# Altium PCB roach2.PcbDoc (part 8 of 39) (continued)
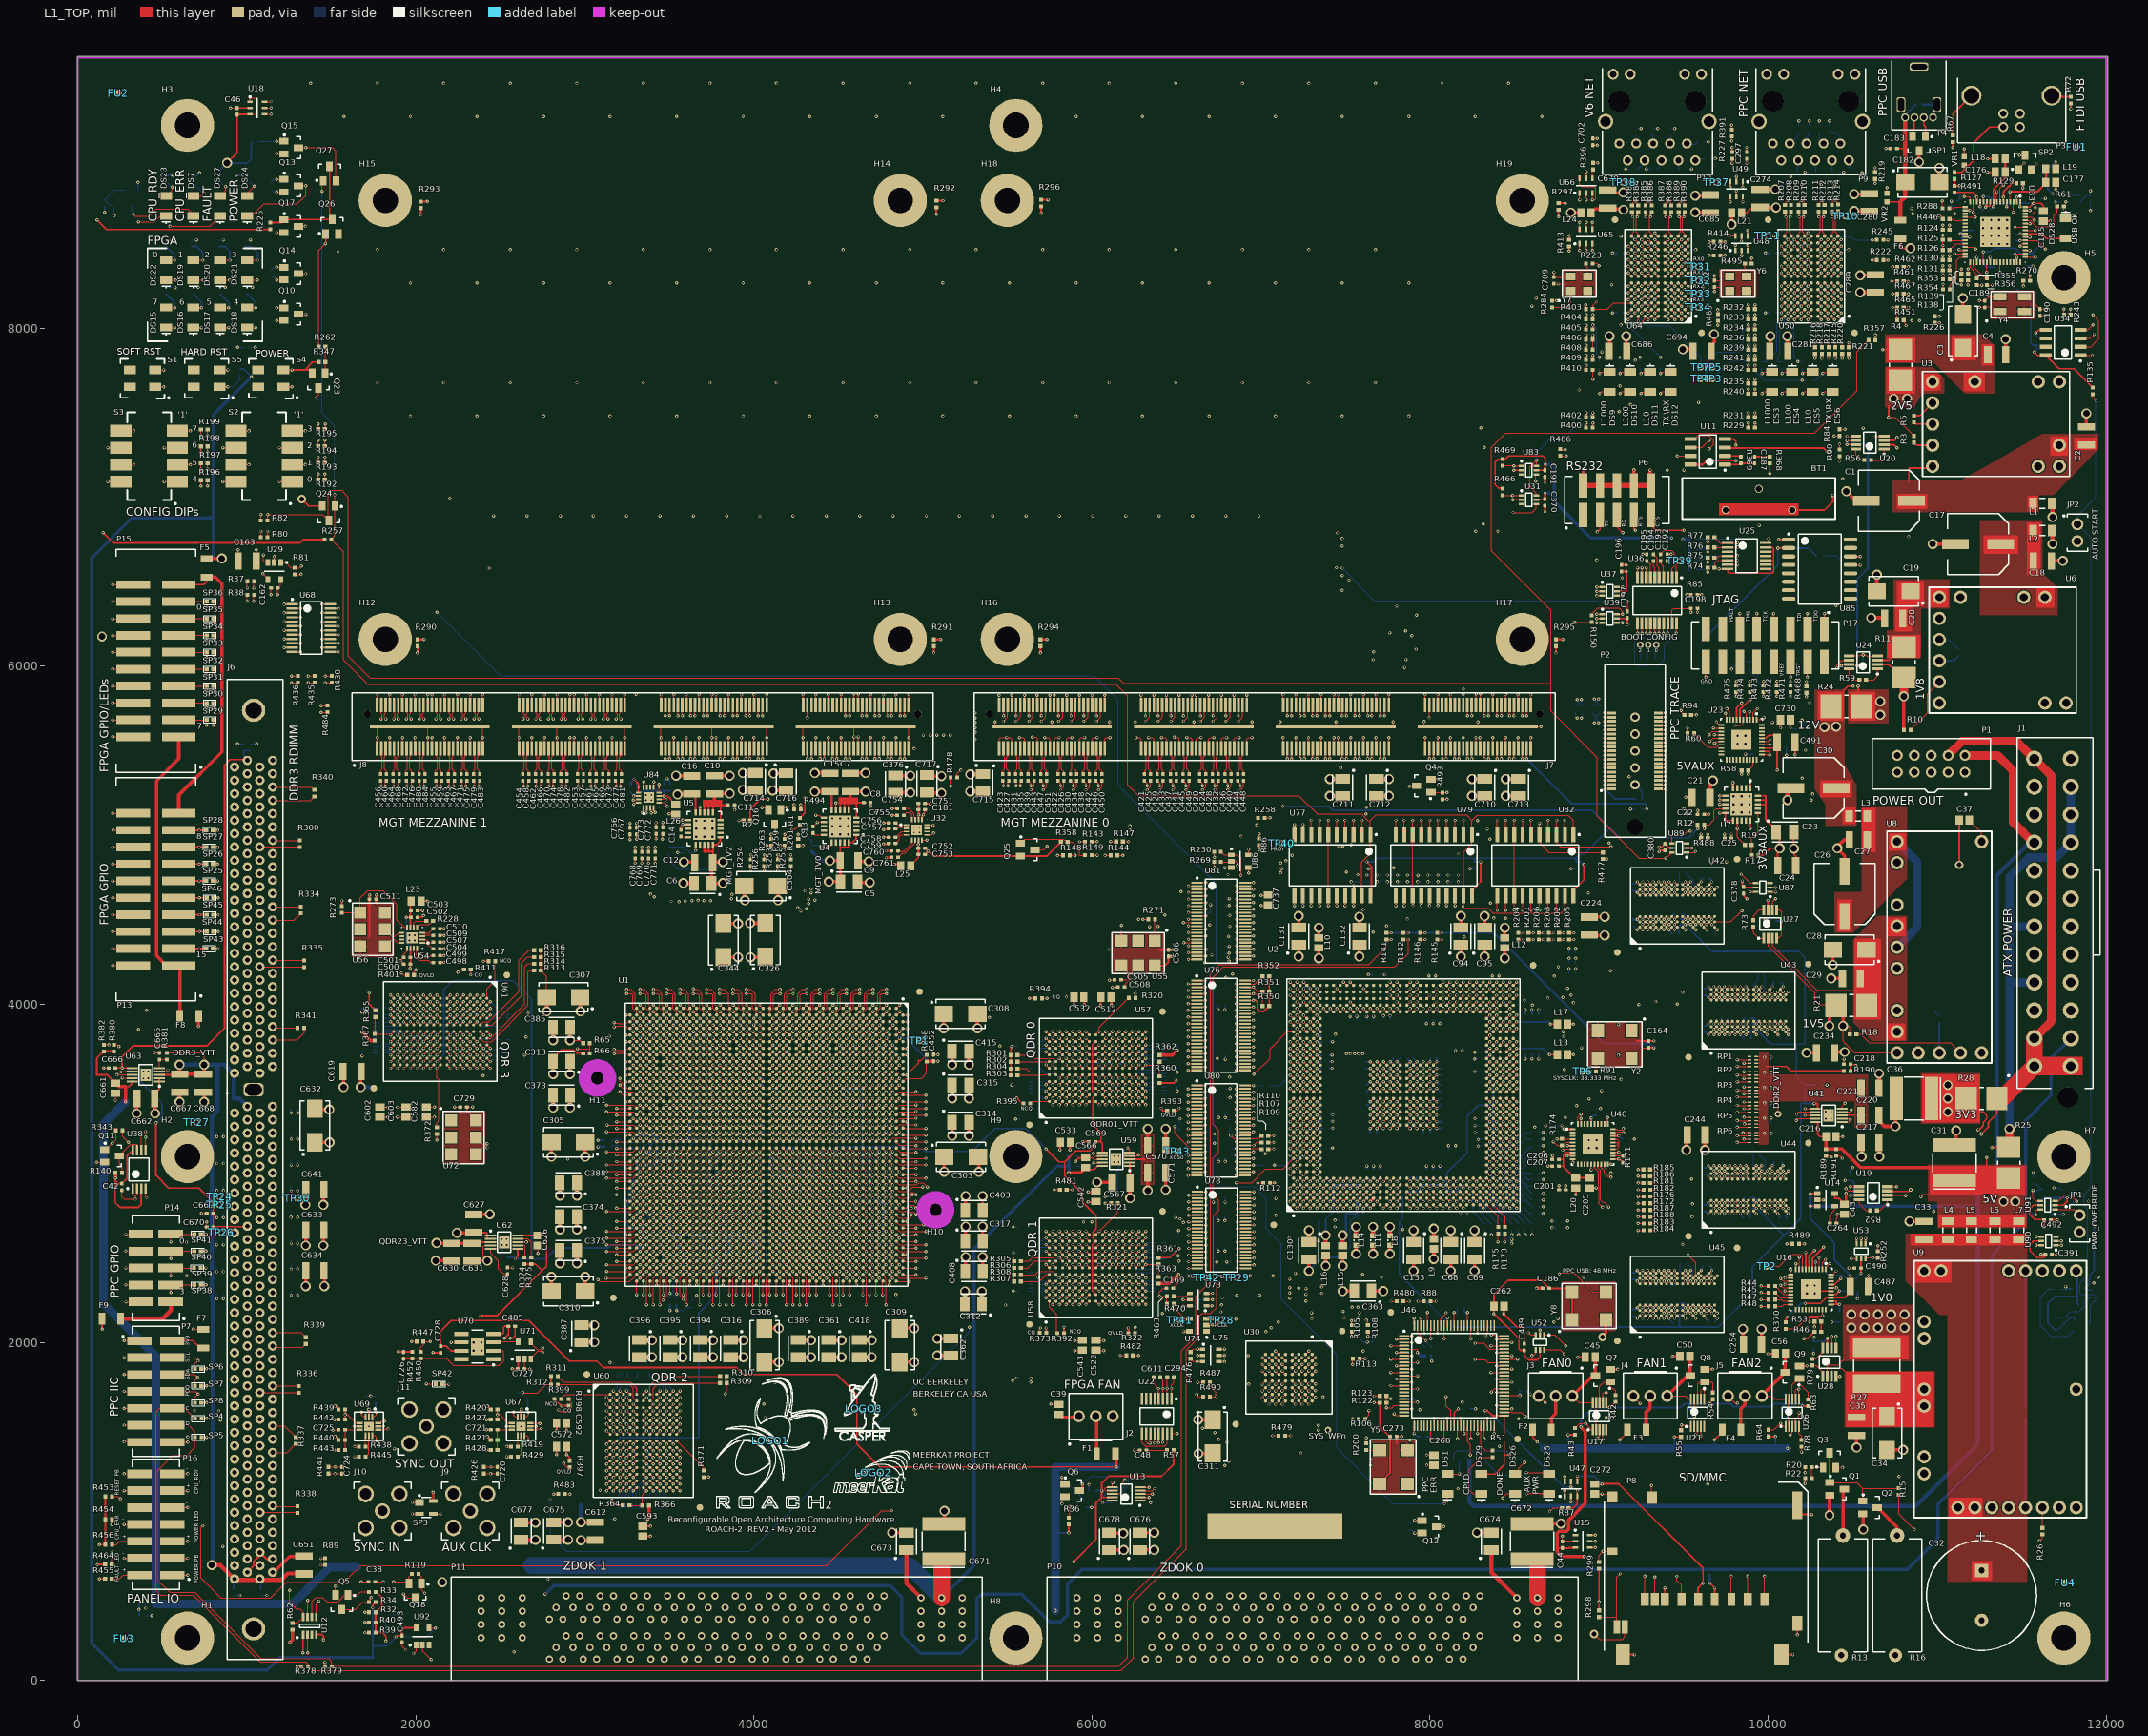
[diagram p0: L1_TOP view]
## Nets (pads, with @x,y where several pads share a name; then routed paths per layer and width w, separated by ;. In a path a pad name is that pad's centre, name@x,y a point inside that pad or via, vN(x,y) a via of type N, cw(c..) or ccw(c..) an arc to the next point about the centre after c; other vN are vias at no path point) (continued)
  L16_BOT w50: v10(5782.99,412.99) 5782.99,1262.99 v10(6142.99,1262.99) ; 8672.99,1372.99 9122.99,1372.99 9682.99,1372.99 v10(10112.99,1372.99)
  other v5: 10332.99,5640.99 10402.99,5642.99
12VMON: J1.10 J1.11 P1.8 R24.1 U16.6 | length 3980.2
  L1_TOP w10: U16.6@10243.15,2432.09 10243.15,2513.15 v6(10274,2544) ; 10532.99,5852.99 v10(10532.99,5882.99)
  L14_S w10: v6(10274,2544) 10308.49,2578.49 10308.49,5468.49 10357.99,5517.99 10442.99,5517.99 10532.99,5607.99 v10(10532.99,5882.99)
  L14_S w20: v5(10662.99,5712.99) 10662.99,5665.01 10855.01,5472.99 P1.8@10864.88,5472.99
  other v5: 10662.99,5792.99
ATX_PG: C163.2 Q24.3 R80.1 R82.1 R357.2 U29.3 U87.6 U89.6 | length 29818
  L1_TOP w5: C163.2@1056.14,6622.99 v2(1056.14,6688.87) ; v2(1098.99,6658.99) 1098.99,6622.99 1107.81,6614.17 U29.3@1125.59,6614.17 ; R80.1@1122.68,6762.99 v2(1122.68,6797.38) ; R82.1@1122.68,6862.99 v2(1122.68,6897.38) 1449.31,6897.38 1481.69,6865 1481.69,7026.69 1495,7040 1560,7040 1600,7000 1600,6060 1730,5930 6155,5930 6185,5900 8715,5900 ; U89.6@9431.69,4899.41 9397.28,4865 v3(9395,4865) 9237.16,4865 8990,5112.16 8990,5460 8715,5735 8715,5900 ; v3(9894,4665.41) U87.6@9925.69,4665.41 ; R357.2@10593.35,7930 10525,7861.65 10525,7630 10275,7380 8447,7380 8362,7295 8362,6683 8715,6330 8715,5900
  L8_R w5: v2(1098.99,6658.99) 1086.02,6658.99 v2(1056.14,6688.87) 1122.68,6755.41 v2(1122.68,6797.38) ; v2(1122.68,6897.38) 1138.99,6881.06 1138.99,6813.69 v2(1122.68,6797.38) ; 8010.99,1376.99 8028.99,1376.99 ; v2(8046.99,1430.68) 8046.99,1394.99 8028.99,1376.99 ; v2(1122.68,6797.38) 1082.68,6837.38 1006.3,6837.38 975.91,6806.99 662.99,6806.99 580.99,6724.99 580.99,6270.69 318.99,6008.69 318.99,3387.47 304.32,3372.79 304.32,3335.49 318.99,3320.82 318.99,2906.04 340.66,2884.38 373.9,2884.38 391.96,2866.33 391.96,2849.12 425.99,2815.08 425.99,2215.69 448.99,2192.69 448.99,1466.99 530.98,1385 700.98,1385 898.65,1187.33 958.51,1187.33 988.88,1156.96 1024.32,1156.96 1063.69,1117.59 1091.9,1117.59 1120.65,1146.34 1438.22,1146.34 1460.88,1169 2479,1169 2623,1025 2988.99,1025 3008.48,1005.51 3783.18,1005.51 4196.47,1418.8 5427.14,1418.8 5480.95,1364.99 6228.4,1364.99 6242.6,1379.19 6256.02,1379.19 6270.22,1364.99 6410.95,1364.99 6545.95,1229.99 7770.03,1229.99 7917.03,1376.99 8028.99,1376.99
  L9_R w5: v3(9395,4865) 9460,4865 9555,4770 9725,4770 9829.59,4665.41 v3(9894,4665.41)
ATX_PGN: Q23.3 Q24.1 Q27.1 R257.2 U77.1 U77.19 U79.1 U79.19 U82.1 U82.19 | length 12829
  L1_TOP w5: v6(1410,7590) 1425,7605 Q23.3@1425,7646.69 ; v6(1445,8810) 1445,8864.09 Q27.1@1452.6,8871.69 ; v6(1520,7015) 1522.4,7012.6 Q24.1@1522.4,6948.31 1522.4,6772.72 R257.2@1499.69,6750 1572.99,6676.69 1572.99,6037.01 1715,5895 6140,5895 6210,5825 6210,5300 6275,5235 7225,5235 7334,5126 7595,5126 7632.58,5088.42 7647.99,5088.42 ; U77.19@7597.99,4641.89 7596.79,4643.09 7596.79,4841.4 7647.99,4892.6 U77.1@7647.99,5004.09 7647.99,5088.42 ; v6(8195,4580) 8207,4568 8346,4568 8372.64,4541.36 8778,4541.36 8794.2,4557.56 v2(8797.99,4557.56) U82.19@8797.99,4641.89 ; v6@8197.99,4582.99 U79.19@8197.99,4641.89 8197.99,4899.99 8247.99,4949.99 U79.1@8247.99,5004.09 8247.99,5088.42 ; U82.1@8847.99,5004.09 8847.99,5088.42 8818.05,5118.37 8277.94,5118.37 8247.99,5088.42 ; 7647.99,5088.42 7679.57,5120 8215,5120 8246.58,5088.42 8247.99,5088.42
  L16_BOT w5: v6(1410,7590) 1425,7575 1445,7575 ; v6(1445,8810) 1445,7575 ; v6(1520,7015) 1520,7425 1445,7500 1445,7575
ATX_PWR_OK: J1.8 Q13.1 Q26.1 R48.2 R262.1 R458.2 | length 18914
  L1_TOP w5: v2(1177.42,8880.39) Q13.1@1219.68,8880.39 ; R262.1@1425.32,7890 1425.32,8460.32 v6(1465,8500) ; v2(9958.4,2214.09) 9959.5,2212.99 R48.2@10003.31,2212.99
  L1_TOP w10: v6(1465,8500) 1467.6,8502.6 Q26.1@1467.6,8556.69
  L5_S w3.8: v2(10400.99,6358.99) 10414.99,6344.99 10414.99,6286.99 ; 10413.99,6285.99 10228.99,6100.99 10228.99,5985.01 10259,5955 10259,5829.25 10228.99,5799.24 10228.99,5630.99 11068.96,4791.02 J1.8@11574.72,4791.02
  L8_R w3.8: v2(1177.42,8880.39) 1332.02,9034.99 1530.99,9034.99 1629.19,8936.79 1629.19,8480 ; v6(1465,8500) 1485,8480 1629.19,8480 ; v2(10400.99,6358.99) 9624.99,6358.99 9294.99,6688.99 7176.99,6688.99 6988.99,6500.99 2441.33,6500.99 1629.19,7313.13 1629.19,8480
  L9_R w3.8: v2(9958.4,2214.09) 9970.49,2202 11040,2202 11503,2665 11503,4719.3 J1.8@11574.72,4791.02
  L16_BOT w5: R458.2@1142.99,8862.68 1160.71,8880.39 v2(1177.42,8880.39)
AUX3V3_PG: R12.1 U7.9 | length 217.9
  L1_TOP w5: v3(9622.68,5039.46) R12.1@9622.68,5062.99 9650.99,5062.99 9680.99,5092.99 9680.99,5144.99 9693.4,5157.4 U7.9@9747.52,5157.4
AUX_CLK_N: U1.AW16 U67.10 | length 2622.4
  L1_TOP w5: U67.10@2674.17,1483.31 2717.31,1483.31 2724,1490 v2(2742,1490) ; v1(3365.24,3403.98) 3384.61,3384.61 U1.AW16@3384.93,3384.29
  L8_R w3.8: v2(2742,1490) 2756,1504 2756,1666.97 2798.79,1709.76 2798.79,2097.19 2732.99,2162.99 2732.99,2503.37 2746.39,2516.77 2746.39,2536.16 2732.99,2549.56 2732.99,3210.99 2785.19,3263.19 3037.19,3263.19 3095.19,3321.19 3202.42,3321.19 3234.99,3353.76 3234.99,3380.99 3273.58,3419.58 3349.64,3419.58 v1(3365.24,3403.98)
AUX_CLK_P: U1.AV16 U67.12 | length 2635.5
  L1_TOP w5: U67.12@2674.17,1522.68 2731.32,1522.68 v2(2734,1520) ; v1(3404.61,3403.98) 3423.98,3384.61 U1.AV16@3424.3,3384.29
  L8_R w3.8: v2@2736,1522 2746,1532 2746,1668 2790.99,1712.99 2790.99,2093.96 2725.19,2159.76 2725.19,2506.6 2738.59,2520 2738.59,2532.93 2725.19,2546.33 2725.19,3214.22 2781.96,3270.99 3033.96,3270.99 3091.96,3328.99 3199.19,3328.99 3227.19,3356.99 3227.19,3384.22 3270.35,3427.38 3363.9,3427.38 3387.3,3403.98 v1(3404.61,3403.98)
AUX_SCL: R40.1 R124.2 U11.6 U13.4 U15.4 U16.15 U17.4 U18.4 U21.4 U22.14 U23.15 U26.4 U38.6 U87.4 | length 31878.6
  L1_TOP w5: U38.6@375.79,3136.18 375.79,3221.79 v2(400.99,3246.99) ; U18.4@1106.3,9265.59 v2@1144.39,9265.59 ; v3(1698.65,343.2) 1698.85,342.99 R40.1@1723.31,342.99 ; U13.4@6283.7,1122.68 6358.68,1122.68 v2(6370.99,1134.99) ; v2@6420.49,1411.4 U22.14@6420.49,1460.63 ; U15.4@8946.3,785.59 v2(8977.73,785.59) ; v2(9022.39,1426.53) 9022.68,1426.83 U17.4@9022.68,1482.28 ; U11.6@9540.64,7294 9608,7294 v2(9650.99,7336.99) ; v2(9602.39,1446.53) 9602.68,1446.83 U21.4@9602.68,1502.28 ; v6(9654,5556) 9672.83,5574.83 U23.15@9723.9,5574.83 ; v3(9840.59,4770) 9894,4716.59 U87.4@9925.69,4716.59 ; v2(10074,2338) 10089.17,2322.83 U16.15@10133.9,2322.83 ; U26.4@10162.68,1502.28 10162.68,1542.68 10182.99,1562.99 10182.99,1582.28 v2(10183.69,1582.98) ; R124.2@11033.31,8582.99 v2(11033.31,8609.57)
  L3_S w3.8: v2(643.59,2592.8) v2@645.59,2592.8 ; v3(9524.99,5126.99) 9600.99,5202.99 9600.99,5502.99 v6(9654,5556) ; v2(9602.39,1446.53) 9924.53,1446.53 9956.99,1478.99 10128.99,1478.99 10183.69,1533.69 v2(10183.69,1582.98) 10183.69,1681.98 10033.39,1832.28 10033.39,2297.39 v2(10074,2338)
  L5_S w3.8: v2(8410,1385) 8415,1390 8595.99,1390 8625,1360.99 8956.84,1360.99 v2(9022.39,1426.53)
  L8_R w3.8: v3(1698.65,343.2) 1877.13,343.2 1887.13,333.19 2050.85,333.19 2366.66,649 2988.66,649 3153.72,814.06 3875.72,814.06 4286.45,1224.79 5326.85,1224.79 5416.45,1135.19 5906.45,1135.19 5962.45,1079.19 6138.85,1079.19 6206.85,1147.19 6313.19,1147.19 6324.99,1158.99 6346.99,1158.99 v2(6370.99,1134.99) ; v2(6652.99,1490.99) 7224.99,1490.99 7267.99,1447.99 7559.99,1447.99 7604.99,1402.99 7862.99,1402.99 v2(7880.99,1420.99)
  L9_R w3.8: v2(400.99,3246.99) 136.99,3246.99 76.99,3306.99 76.99,8800.99 237.19,8961.19 774.85,8961.19 892.85,9079.19 1035.19,9079.19 1144.99,9188.99 v2(1144.99,9266.19) ; v2(6370.99,1134.99) 6370.99,1338.99 6316.99,1392.99 6316.99,1424.99 6324.99,1432.99 6400.99,1432.99 6418.54,1415.45 v2(6418.54,1409.45) 6571.45,1409.45 6641.99,1479.99 ; 6642.99,1480.99 6641.99,1479.99 ; v2(6652.99,1490.99) 6641.99,1479.99 ; v2(7880.99,1420.99) 7988.99,1420.99 8024.99,1384.99 v2(8410,1385) ; v2(9650.99,7336.99) 9697.98,7290 9697.98,6852.02 9726.99,6823.01 9726.99,5597.61 9704.21,5574.83 9672.83,5574.83 v6(9654,5556) ; v2(10848.99,8708.99) 10933.89,8708.99 v2(11033.31,8609.57)
  L9_R w3.94: v3(9524.99,5126.99) 9524.99,5072.01 9535,5062 9545.99,5062 9562.99,5045 9562.99,4987.01 9742,4808 9802.59,4808 v3(9840.59,4770)
  L12_S w3.8: v2(643.59,2592.8) 643.59,2512.39 660.99,2494.99 660.99,1625.01 v6(691,1595) 693,1593 693,1511 688.99,1506.99 688.99,914.99 860.79,743.19 860.79,523.19 983.98,400 1641.84,400 v3(1698.65,343.2) ; v2(8977.73,785.59) 9032.31,840.16 9032.31,1168.98 9022.39,1178.9 v2(9022.39,1426.53) 9073.45,1426.53 9142.99,1356.99 9534.99,1356.99 9602.39,1424.39 v2(9602.39,1446.53) ; v2(9650.99,7336.99) 9650.99,7480.99 9838.99,7668.99 10000.99,7668.99 10068.34,7736.34 10068.34,7738.75 10077.47,7747.88 10077.47,7789.47 10282.99,7994.99 10282.99,8594.99 10318.99,8630.99 10736.99,8630.99 10814.99,8708.99 v2(10848.99,8708.99)
  L14_S w3.8: v2(400.99,3246.99) 416.99,3246.99 426.99,3236.99 426.99,3014.99 526.99,2914.99 526.99,2709.4 v2(643.59,2592.8) ; v3(9524.99,5126.99) 9525.05,5126.99 9564.59,5087.45 9564.59,5074.53 9562.99,5072.93 9562.99,5000.99 9612.99,4950.99 9720.99,4950.99 9894.99,4776.99 10176.99,4776.99 10216.99,4736.99 10216.99,3772.85 10192.56,3748.42 10192.56,3347.36 10216.99,3322.93 10216.99,2642.99 10107,2533 10107,2412 10130,2389 10130,2333.83 10119,2322.83 10089.17,2322.83 v2(10074,2338)
AUX_SDA: R39.1 R125.2 R126.2 U11.5 U13.3 U15.6 U16.13 U17.3 U18.6 U21.3 U22.13 U23.13 U26.3 U38.5 U89.4 | length 31928.8
  L1_TOP w5: v2(400.99,3214.99) 401.38,3214.61 U38.5@401.38,3136.18 ; v6(651,1440) v6@652.08,1438.92 ; U18.6@1106.3,9340.39 1144.39,9340.39 v2(1144.99,9340.99) ; v3@1698.85,282.99 R39.1@1723.31,282.99 ; U13.3@6302.99,1102.99 v2@6354.99,1102.99 ; v2@6395.49,1406.49 U22.13@6395.49,1460.63 ; U15.6@8946.3,860.39 v2(8977.73,860.39) ; v2(8990.99,1432.99) 9002.99,1444.99 U17.3@9002.99,1482.28 ; U89.4@9431.69,4950.59 9431.69,5001.69 9501.69,5001.69 9525,5025 v3(9540,5025) ; U11.5@9540.64,7344 9564,7344 9586,7366 9650,7366 9676,7340 9676,7312 v2(9650.99,7286.99) ; v2(9570.99,1452.99) 9582.99,1464.99 U21.3@9582.99,1502.28 ; v6(9652,5595) 9652,5597 9669.2,5614.2 U23.13@9723.9,5614.2 ; v2(10074,2377.37) 10089.17,2362.2 U16.13@10133.9,2362.2 ; v2(10130.99,1452.99) 10142.99,1464.99 U26.3@10142.99,1502.28 ; R126.2@11032.99,8462.99 v2(11032.99,8489.57) 11033.31,8489.89 R125.2@11033.31,8522.99 v2(11033.31,8549.57)
  L3_S w3.8: v2(643.59,2392.8) v2@645.59,2392.8 ; v3(9540,5025) 9508.99,5056.01 9508.99,5138.99 9550.99,5180.99 9550.99,5492.99 9652,5594 v6(9652,5595) ; v2(9570.99,1452.99) 9570.99,1440.99 9612.99,1398.99 10076.99,1398.99 v2(10130.99,1452.99) 10176.99,1452.99 10246.92,1522.92 10246.92,2023.08 10175,2095 10175,2321.1 10133.9,2362.2 10089.17,2362.2 v2(10074,2377.37)
  L8_R w3.8: v3(1698.65,283.2) 2034.51,283.2 2384.32,633 3006.32,633 3163.58,790.26 3885.58,790.26 4296.31,1200.99 5316.99,1200.99 5406.59,1111.39 5896.59,1111.39 5952.59,1055.39 6045.33,1055.39 6056.53,1066.59 6069.45,1066.59 6080.65,1055.39 6148.71,1055.39 6216.71,1123.39 6288.99,1123.39 ; 6292.99,1123.39 6288.99,1123.39 ; v2(6356.99,1102.99) 6336.59,1123.39 6288.99,1123.39
  L9_R w3.8: v2(400.99,3214.99) 376.79,3239.19 111.13,3239.19 53.19,3297.13 53.19,8810.85 227.33,8984.99 764.99,8984.99 882.99,9102.99 1038.99,9102.99 1116.99,9180.99 1116.99,9312.99 v2(1144.99,9340.99) ; v2(6356.99,1102.99) 6374.99,1102.99 6394.99,1122.99 v2(6394.99,1405.99) 6399.93,1405.99 6412.07,1393.85 6603.85,1393.85 6676.99,1466.99 v2(6726.99,1466.99) ; v2(9650.99,7286.99) 9676.99,7260.99 9676.99,6476.99 9710.99,6442.99 9710.99,5785.99 9652,5727 v6(9652,5595) ; v2(10856.99,8676.99) 10912.99,8676.99 10924.99,8664.99 10924.99,8657.89 v2(11033.31,8549.57)
  L12_S w3.8: v2(643.59,2392.8) 643.59,1562.38 651,1554.97 v6(651,1440) 671,1420 671,1265.1 635.35,1229.45 635.35,912.63 852.99,694.99 852.99,500.99 965.98,388 1142,388 1181.01,348.99 1632.85,348.99 v3(1698.65,283.2) ; v2(6726.99,1466.99) 6733.05,1466.99 6781.39,1418.65 6781.39,1404.53 6912.93,1272.99 7616.99,1272.99 7658.99,1230.99 8160.01,1230.99 8166.66,1237.65 8379.59,1237.65 8391.94,1250 8662,1250 8736.99,1324.99 8880.99,1324.99 ; v2(8977.73,860.39) 8977.73,1140.25 8880.99,1236.99 8880.99,1324.99 ; v2(9570.99,1452.99) 9560.99,1462.99 9020.99,1462.99 v2(8990.99,1432.99) 8882.99,1324.99 8880.99,1324.99 ; v2(9650.99,7286.99) 9684.63,7286.99 9714.99,7317.35 9714.99,7500.99 9820.99,7606.99 9922.99,7606.99 9964.99,7648.99 10022.71,7648.99 10099.54,7725.82 10099.54,7729.54 10140.99,7770.99 10186.99,7770.99 10230.99,7814.99 10230.99,7922.99 10294.99,7986.99 10294.99,8574.99 10314.99,8594.99 10774.99,8594.99 v2(10856.99,8676.99)
  L14_S w3.8: v2(400.99,3214.99) 400.99,2956.99 480.99,2876.99 480.99,2760.99 418.99,2698.99 282.99,2698.99 254.99,2670.99 254.99,2433.01 275,2413 623.39,2413 v2(643.59,2392.8) ; v3(9540,5025) 9540,5003.98 9604.99,4938.99 9706.99,4938.99 9890.99,4754.99 10172.99,4754.99 10198.99,4728.99 10198.99,3770.99 10184.76,3756.76 10184.76,3344.13 10204.99,3323.9 10204.99,2650.99 10074,2520 v2(10074,2377.37)
AUX_SYNCI_N: U1.BB17 U69.10 | length 2944.5
  L1_TOP w5: U69.10@1774.17,1483.31 1817.35,1483.31 1822.04,1488 v2(1836,1488) v2@1831.31,1483.31 ; v2(3188.08,3344.92) U1.BB17@3266.82,3344.92
  L8_R w3.8: v2(1836,1488) 1836,1518.69 1830.99,1523.69 1830.99,2490.99 2668.99,3328.99 3036.41,3328.99 3113.42,3406.01 3113.42,3410.44 3122.56,3419.58 3135.49,3419.58 3144.62,3410.44 3144.62,3405.68 3181.62,3368.69 3185.29,3368.69 3188.08,3365.91 v2(3188.08,3344.92)
AUX_SYNCI_P: U1.BB16 U69.12 | length 2859.1
  L1_TOP w5: U69.12@1774.17,1522.68 1790.68,1522.68 1802,1534 v2(1814,1534) ; v2(3188.08,3384.29) U1.BB16@3266.82,3384.29
  L8_R w3.8: v2(1814,1534) 1823.19,1543.19 1823.19,2494.22 2665.76,3336.79 3033.18,3336.79 3105.62,3409.24 3105.62,3413.67 3119.33,3427.38 3144.99,3427.38 v2(3188.08,3384.29)
AUX_SYNCO_N: U1.BA17 U71.4 | length 2160
  L1_TOP w5: U71.4@2680.39,2004.17 2680.39,1997.59 2720.49,1957.49 2743.79,1957.49 v2(2750.99,1964.69) ; v2(3129.02,3364.61) 3286.5,3364.61 3305.87,3345.24 U1.BA17@3306.19,3344.92
  L3_S w3.8: v2(2750.99,1964.69) v2@2750.99,1964.99
  L8_R w3.8: v2@2750.99,1964.99 2750.99,2007.96 2760.79,2017.76 2760.79,2053.19 2624.99,2188.99 2624.99,3217.19 2700.99,3293.19 3031.19,3293.19 3102.61,3364.61 v2(3129.02,3364.61)
AUX_SYNCO_P: U1.BA16 U71.3 | length 2243.3
  L1_TOP w5: U71.3@2680.39,1901.81 2680.39,1907.39 2721.49,1948.49 2743.79,1948.49 v2(2750.99,1941.29) ; v2(3129.02,3403.98) 3286.5,3403.98 ; U1.BA16@3306.19,3384.29 U1.BA16@3305.87,3384.61 ; 3286.5,3403.98 U1.BA16@3305.87,3384.61 ; 3286.5,3403.98 U1.BA16@3305.87,3384.61
  L8_R w3.8: 2743.79,1948.49 2743.79,1949.83 2735.39,1958.23 2735.39,2003.39 2752.99,2020.99 2752.99,2049.96 2617.19,2185.76 2617.19,3220.42 2697.76,3300.99 3027.96,3300.99 3099.38,3372.41 3110.41,3372.41 3129.02,3391.02 v2(3129.02,3403.98)
BOOT_CFG0: pad.0@9338.58,6125.98 R342.1 U2.A29 U46.74 | length 11203.9
  L1_TOP w5: v1(7173.7,3935.43) U2.A29@7193.39,3915.75 ; v3(8394.04,2019.53) U46.74@8439.25,2019.53
  L3_S w3.8: v2(8986.99,6628.58) 9082.68,6532.9 9082.68,6248.03 9161.42,6169.29 9295.28,6169.29 pad.0@9338.58,6125.98
  L8_R w5: v3(8394.04,2019.53) 8691.53,2019.53 8956.99,2284.99 8956.99,2822.99 8873.99,2905.99 8873.99,3297.04 8859.79,3311.24 8859.79,3364.74 8883.19,3388.14 8883.19,3407.7 8875.19,3415.7 8875.19,3519.32 8960.99,3605.12 8960.99,5129.12 9091.87,5259.99 9247.99,5259.99 9258.99,5270.99 9258.99,5962.99 9144.99,6076.99 9030.99,6076.99 8910.99,6196.99 8910.99,6552.58 v2(8986.99,6628.58)
  L9_R w3.8: v2(7480.99,6755.59) 8922.39,6755.59 8986.99,6690.99 v2(8986.99,6628.58)
  L12_S w3.8: v1(7173.7,3935.43) 7152.79,3956.34 7152.79,4768.08 7159.79,4775.08 7159.79,4839.73 7162.59,4842.53 7162.59,4855.45 7159.79,4858.25 7159.79,5228.19 6976.39,5411.59 6976.39,6324.8 7178.19,6526.6 7252,6526.6 v2(7480.99,6755.59)
  L16_BOT w5: R342.1@9334,6043.68 9334,6121.4 pad.0@9338.58,6125.98
BOOT_CFG1: pad.0@9291.34,6125.98 R345.2 U37.1 U46.73 | length 5997.4
  L1_TOP w5: U46.73@8439.25,1999.84 v3(8484.46,1999.84) ; v2(8986.99,6468.58) U37.1@9019.68,6468.58
  L3_S w3.8: v2(8986.99,6468.58) 9059.06,6396.52 9059.06,6248.03 9149.61,6157.48 9263.78,6157.48 9291.34,6129.92 pad.0@9291.34,6125.98
  L8_R w5: v3(8484.46,1999.84) 8695.88,1999.84 8973.99,2277.95 8973.99,2830.03 8890.99,2913.03 8890.99,3304.08 8876.79,3318.28 8876.79,3357.7 8892.19,3373.1 8892.19,3512.28 8975,3595.08 8975,5119.08 9098.91,5242.99 9255.03,5242.99 9275.99,5263.95 9275.99,5970.03 9101.03,6144.99 9026.11,6144.99 8934.99,6236.11 8934.99,6416.58 v2(8986.99,6468.58)
  L16_BOT w5: R345.2@9290,6041.69 9290,6124.65 pad.0@9291.34,6125.98
BOOT_CFG2: pad.0@9244.09,6125.98 R344.2 U39.1 U46.72 | length 5780
  L1_TOP w5: v2(8361.07,1980.16) U46.72@8439.25,1980.16 ; v2(8986.99,6308.58) U39.1@9019.68,6308.58
  L3_S w3.8: v2(8986.99,6308.58) 9031.5,6264.08 9031.5,6216.54 9122.05,6125.98 pad.0@9244.09,6125.98
  L8_R w5: v2(8361.07,1980.16) 8700.24,1980.16 8990.99,2270.91 8990.99,2837.08 8907.99,2920.08 8907.99,3317.08 8909.19,3318.28 8909.19,3505.23 8987.96,3584.01 8987.96,4536.64 8994.99,4543.67 8994.99,5115.03 9105.95,5225.99 9262.08,5225.99 9292.99,5256.91 9292.99,5977.08 9140.99,6129.08 9140.99,6192.99 9025.4,6308.58 v2(8986.99,6308.58)
  L16_BOT w5: pad.0@9244.09,6125.98 9248,6122.08 R344.2@9248,6041.69
BOOT_CFG_DISN: R150.1 U37.6 U39.6 U46.71 | length 6058.5
  L1_TOP w5: v2(8267.2,1994.99) 8318.49,1994.99 8353.01,1960.47 U46.71@8439.25,1960.47 ; R150.1@8961,6302 8961,6314.99 8991,6344.99 9118.01,6344.99 9138.99,6324.01 v2(9138.99,6308.58) U39.6@9106.3,6308.58 ; U37.6@9106.3,6468.58 v3(9138.99,6468.58)
  L8_R w5: v2(8267.2,1994.99) 8286.99,1994.99 8318.99,1962.99 8374.99,1962.99 8378.99,1966.99 8446.99,1966.99 8454.99,1958.99 8703.12,1958.99 9007.99,2263.87 9007.99,2789.08 9004.79,2792.28 9004.79,2805.7 9007.99,2808.9 9007.99,2844.12 8924.99,2927.12 8924.99,3136.18 8919.88,3141.3 8919.88,3304.93 8924.79,3309.84 8924.79,3496.79 9011.99,3583.99 9011.99,4378.04 8996.96,4393.07 8996.96,4532.92 9011.99,4547.94 9011.99,5107.99 9112.99,5208.99 9269.12,5208.99 9309.99,5249.87 9309.99,5984.12 9206.99,6087.12 9206.99,6150.01 9102,6255 9102,6304 9106.58,6308.58 v2(9138.99,6308.58) 9081,6366.57 9081,6438 9111.58,6468.58 v3(9138.99,6468.58)
CMON_1V0: U23.4 U28.6 | length 4062.3
  L1_TOP w5: v6(9858,5733) 9872.52,5718.48 U23.4@9872.52,5684.09
  L1_TOP w10: U28.6@10375.79,1966.65 10375.79,2033.79 v2(10376.99,2034.99)
  L3_S w3.8: v2@10375.5,2034.99 v2(10376.99,2034.99)
  L8_R w5: v6(9858,5733) 9858,5672 9902,5628 9902,5513 10004,5411 10004,4890 10296,4598 10296,3127 10381,3042 10381,2294 10406,2269 10406,2064 v2(10376.99,2034.99)
CMON_1V5: U23.3 U27.6 | length 1389
  L1_TOP w5: v6(9892,5730) 9892.2,5729.8 U23.3@9892.2,5684.09 ; U27.6@10025.79,4558.46 10025.79,4607.79 v2(10042.99,4624.99)
  L8_R w5: v6(9892,5730) 9867.8,5754.2 9850.2,5754.2 9840,5744 9840,5460 9934.99,5365.01 9934.99,4732.99 v2(10042.99,4624.99)
CMON_1V8: U23.2 U24.6 | length 745.5
  L1_TOP w5: U23.2@9911.89,5684.09 9911.89,5723.37 v6(9937,5748.48) ; v2(10406.99,5990.99) 10406.99,6006.99 10435.79,6035.79 U24.6@10479.33,6035.79
  L8_R w3.8: v6(9937,5748.48) 10104.48,5748.48 10346.99,5990.99 v2(10406.99,5990.99)
CMON_2V5: U20.6 U23.1 | length 2188.6
  L1_TOP w5: U23.1@9931.57,5684.09 9962.09,5684.09 v6(9975,5697) ; v2(10467.33,7335.79) U20.6@10519.33,7335.79
  L8_R w3.8: v2(10467.33,7335.79) 10489.79,7335.79 v2(10562.99,7408.99)
  L9_R w3.8: v6(9975,5697) 9975,5801 10031.39,5857.39 10031.39,6181.39 10566.99,6716.99 10566.99,7298.95 10563.4,7302.54 10563.4,7315.46 10566.99,7319.05 10566.99,7404.99 v2(10562.99,7408.99)
CMON_3V3: U19.6 U23.40 | length 3429.8
  L1_TOP w5: U23.40@9962.09,5653.57 10010.57,5653.57 v6(10026,5669) ; v2(10460.99,2908.99) 10474.2,2895.79 U19.6@10539.33,2895.79
  L3_S w3.8: v2(10220.99,5502.99) 10220.99,5387.39 10266.99,5341.39 10335.35,5341.39 10461.39,5215.35 10461.39,5020.53 10399.28,4958.42 10394.32,4958.42 10373.56,4937.67 10373.56,4933.56 10324.37,4884.37 10324.37,3850.37 10408.01,3766.73 10408.01,3614.01 10332.39,3538.39 10332.39,3378.45 10325.39,3371.45 10325.39,3316.53 10334.19,3307.73 10334.19,3107.1 10322.99,3095.9 10322.99,2920.99 10334.99,2908.99 v2(10460.99,2908.99)
  L12_S w5: v6(10026,5669) 10042,5653 10042,5635 10174.01,5502.99 v2(10220.99,5502.99)
CMON_FAULTN: R60.2 R74.1 | length 1031.1
  L1_TOP w5: R60.2@9523.31,5602.99 v2(9523.31,5634.42) ; R74.1@9643.31,6582.99 v2(9643.31,6556.13) v2@9644.31,6555.13
  L9_R w3.8: v2(9523.31,5634.42) 9523.31,6159.31 9643.31,6279.31 v2(9643.31,6556.13)
CMON_TCK: U23.11 U79.14 | length 2928.7
  L1_TOP w5: v3(7946.99,4584.41) 7946.99,4641.89 U79.14@7946.99,4642.99 ; v6(9695,5670) 9711.43,5653.57 U23.11@9723.9,5653.57
  L3_S w3.8: v3(9548.99,5080.99) 9564.99,5080.99 9678.99,5194.99 9678.99,5268.99 9736,5326 9736,5629 v6(9695,5670)
  L5_S w3.8: v3(7946.99,4584.41) 7946.99,4834.99 8050.99,4938.99 8322.99,4938.99 8338.99,4954.99 v2(8338.99,5036.99)
  L14_S w3.8: v2(8338.99,5036.99) 8338.99,5084.99 8451.56,5197.56 8462.67,5197.56 8464.09,5198.99 8572.99,5198.99 8588.99,5214.99 9366.99,5214.99 9500.99,5080.99 v3(9548.99,5080.99)
CMON_TDI: R486.2 U23.10 | length 2631.1
  L1_TOP w5: R486.2@8780,7245 v2(8806,7245) ; v6(9747,5721) 9754.41,5713.59 U23.10@9754.41,5684.09
  L9_R w3.8: v6(9747,5721) 9737,5731 9737,5762.59 9754.41,5780 9754.41,6358.41 9946.99,6550.99 v2(9946.99,6833.57)
  L12_S w3.8: v2(8806,7245) 8832,7219 9646.98,7219 9946.99,6918.99 v2(9946.99,6833.57)
CMON_TDO: R488.1 U23.12 | length 836.4
  L1_TOP w5: R488.1@9603.31,4982.99 v3(9603.31,5006.52) ; v6(9677,5635) 9678.11,5633.89 U23.12@9723.9,5633.89
  L3_S w3.8: v3(9603.31,5006.52) 9579.46,5006.52 9556.59,5029.39 9556.59,5049.39 9533.39,5072.59 9533.39,5103.39 9567.71,5137.71 9567.71,5152.98 9576.85,5162.12 9592.12,5162.12 9610.99,5180.99 9610.99,5182.99 9634.99,5206.99 9634.99,5335.09 9658.32,5358.42 9658.32,5460.32 9708,5510 9708,5604 v6(9677,5635)
CMON_TMS: U23.9 U82.7 | length 2741.1
  L1_TOP w5: U82.7@8547.99,5004.09 v2(8547.99,5088.42) ; v6(9755,5749) 9774.09,5729.91 U23.9@9774.09,5684.09
  L3_S w3.8: v2(9502.99,5156.99) 9536.99,5190.99 9536.99,5577.99 9708,5749 v6(9755,5749)
  L14_S w3.8: v2(8547.99,5088.42) 8547.99,5077.99 8420.99,4950.99 8308.99,4950.99 8292.99,4966.99 8292.99,5076.93 8296.59,5080.53 8296.59,5097.05 8292.99,5100.65 8292.99,5100.99 8342.99,5150.99 8342.99,5234.99 8404.99,5296.99 8510.99,5296.99 8568.99,5238.99 9392.99,5238.99 9474.99,5156.99 v2(9502.99,5156.99)
CONFIG_DIP0: R192.1 S2.1 U46.43 | length 17080.1
  L1_TOP w5: v2(1193.11,7092.99) S2.1@1270.31,7092.99 ; R192.1@1462.68,7102.99 v2(1462.68,7137.38) ; v2(8241.42,1428.55) U46.43@8241.42,1506.73
  L8_R w5: v2(1193.11,7092.99) 1302.99,7092.99 1366.99,7156.99 1366.99,7284.99 1298.99,7352.99 1298.99,7430.99 1192.99,7536.99 538.99,7536.99 412.99,7410.99 412.99,6340.28 126.4,6053.69 126.4,3776.48 137.14,3765.75 137.14,3616.31 150.99,3602.46 150.99,2837.99 196.99,2791.99 196.99,1344.99 388.99,1152.99 563.72,1152.99 914.08,802.63 942.3,802.63 971.04,831.38 1034.94,831.38 1063.69,802.63 1073.35,802.63 1083.97,792.01 1109.74,792.01 1149.11,752.64 1431.48,752.64 1495.12,689 2968,689 3142.99,863.99 3376.61,863.99 3382.28,869.66 3395.7,869.66 3401.37,863.99 3833.99,863.99 4252.8,1282.8 5370.8,1282.8 5425.12,1228.49 6355.12,1228.49 6489.62,1093.99 7826.37,1093.99 7961.37,1228.99 8007.25,1228.99 8017.25,1238.99 8182.99,1238.99 8264.99,1320.99 8264.99,1352.99 8241.42,1376.57 v2(8241.42,1428.55)
  L12_S w5: v2(1193.11,7092.99) 1418.29,7092.99 v2(1462.68,7137.38)
CONFIG_DIP1: R193.1 S2.2 U46.42 | length 16413.6
  L1_TOP w5: S2.2@1270.31,7192.6 v2(1347.51,7192.6) ; R193.1@1462.68,7202.99 v2(1462.68,7237.38) ; U46.42@8221.73,1506.73 8221.73,1411.86 8238.99,1394.6 v2(8238.99,1334.68)
  L8_R w5: v2(1347.51,7192.6) 1347.51,7240.47 1122.99,7464.99 526.99,7464.99 433.99,7371.99 433.99,6331.58 201.6,6099.19 199.65,6099.19 141,6040.54 141,3795.49 168.79,3767.7 168.79,3754.28 171.99,3751.08 171.99,2846.69 228.99,2789.69 228.99,1352.99 392.99,1188.99 562.04,1188.99 869.66,881.37 949.51,881.37 988.88,842 1017.1,842 1045.85,870.75 1097.01,870.75 1136.38,831.38 1186.66,831.38 1245.05,772.99 1455.01,772.99 1513,715 2955,715 3120.99,880.99 3826.95,880.99 4245.76,1299.8 5377.85,1299.8 5431.66,1245.99 6112.62,1245.99 6121.12,1237.49 6164.87,1237.49 6173.37,1245.99 6361.66,1245.99 6496.66,1110.99 7819.32,1110.99 7954.32,1245.99 8000.21,1245.99 8007.21,1252.99 8157.3,1252.99 v2(8238.99,1334.68)
  L12_S w5: v2(1347.51,7192.6) 1417.9,7192.6 v2(1462.68,7237.38)
CONFIG_DIP2: R194.1 S2.3 U46.41 | length 16232.8
  L1_TOP w5: v2(1193.11,7293.39) S2.3@1270.31,7293.39 ; R194.1@1462.68,7302.99 v2(1462.68,7337.38) ; v3(8202.05,1461.52) U46.41@8202.05,1506.73
  L8_R w5: v2(1193.11,7293.39) 1193.11,7336.87 1100.99,7428.99 540.99,7428.99 454.99,7342.99 454.99,6322.88 222.56,6090.45 222.56,6076.28 165,6018.72 165,3803.89 201.19,3767.7 201.19,3745.68 192.99,3737.48 192.99,3187.9 188.79,3183.7 188.79,2955.19 192.99,2950.99 192.99,2855.39 251.97,2796.41 251.97,1382.02 418.99,1214.99 581.86,1214.99 667.15,1129.7 667.15,1128.83 846.49,949.49 955.71,949.49 959.93,945.26 959.93,936.97 986.78,910.12 1034.94,910.12 1063.69,881.37 1099.12,881.37 1138.49,842 1166.71,842 1186.66,861.95 1186.66,862.66 1210.99,886.99 1268.99,886.99 1356.99,798.99 1465.01,798.99 1510,754 2962,754 3105.99,897.99 3380.61,897.99 3382.28,896.32 3395.7,896.32 3397.37,897.99 3819.91,897.99 4238.72,1316.8 5384.89,1316.8 5438.7,1262.99 6119.66,1262.99 6136.16,1246.49 6149.83,1246.49 6166.33,1262.99 6368.7,1262.99 6503.7,1127.99 7812.28,1127.99 7947.28,1262.99 7968.29,1262.99 7974.02,1257.26 7987.44,1257.26 7999.17,1268.99 8150.99,1268.99 8202.05,1320.05 v3(8202.05,1461.52)
  L12_S w5: v2(1193.11,7293.39) 1418.69,7293.39 v2(1462.68,7337.38)
CONFIG_DIP3: R195.1 S2.4 U46.40 | length 16712
  L1_TOP w5: S2.4@1270.31,7392.99 v2(1347.51,7392.99) ; R195.1@1464.99,7398.99 v2(1464.99,7433.38) ; U46.40@8182.36,1506.73 v3(8182.36,1551.94)
  L8_R w5: v2(1347.51,7392.99) 1380.99,7359.51 1380.99,7124.99 1268.99,7012.99 1178.99,7012.99 1094.99,7096.99 1094.99,7206.99 890.99,7410.99 568.99,7410.99 475.99,7317.99 475.99,6314.18 178,6016.19 178,3820 213.99,3784.01 213.99,3728.78 206.45,3721.24 206.45,3555.58 213.99,3548.05 213.99,3446.75 206.76,3439.51 206.76,3426.09 213.99,3418.86 213.99,3190.9 221.19,3183.7 221.19,3170.28 207.07,3156.16 207.07,2966.09 213.99,2959.18 213.99,2864.09 320.99,2757.09 320.99,2659.9 331.19,2649.7 331.19,2216.89 310.99,2196.69 310.99,1388.99 462.99,1236.99 608.99,1236.99 646.99,1198.99 666.99,1198.99 905.87,960.12 957.81,960.12 968.93,948.99 968.93,940.7 988.88,920.75 1017.1,920.75 1045.85,949.49 1109.74,949.49 1140.24,918.99 1294.99,918.99 1388.99,824.99 1470.01,824.99 1512,783 2584,783 2677,876 3000,876 3038.99,914.99 3368.55,914.99 3382.28,928.72 3395.7,928.72 3409.43,914.99 3812.87,914.99 4231.68,1333.8 5391.93,1333.8 5445.74,1279.99 6375.74,1279.99 6510.74,1144.99 7805.24,1144.99 7940.24,1279.99 7964.35,1279.99 7974.02,1289.66 7987.44,1289.66 7990.11,1286.99 8142.99,1286.99 8182.36,1326.36 v3(8182.36,1551.94)
  L12_S w5: v2(1347.51,7392.99) 1424.61,7392.99 v2(1464.99,7433.38)
CONFIG_DIP4: R196.1 S3.1 U46.39 | length 14917.7
  L1_TOP w5: v2(513.11,7092.99) S3.1@590.31,7092.99 ; v2(729.31,7066.61) R196.1@729.31,7100.99 ; v2(8162.68,1428.55) U46.39@8162.68,1506.73
  L8_R w5: v2(513.11,7092.99) 496.99,7076.87 496.99,6305.48 234.99,6043.48 234.99,3781.9 259.19,3757.7 259.19,3744.28 215.45,3700.54 215.45,3576.28 234.99,3556.74 234.99,3443.68 239.16,3439.51 239.16,3426.09 234.99,3421.93 234.99,2984 239.47,2979.51 239.47,2966.09 234.99,2961.61 234.99,2872.79 341.99,2765.79 341.99,2197.99 332.99,2188.99 332.99,1416.99 472.99,1276.99 628.99,1276.99 877.75,1028.23 960.14,1028.23 999.51,988.86 1034.94,988.86 1063.69,960.12 1091.9,960.12 1120.65,988.86 1269.12,988.86 1410.7,847.28 1487.72,847.28 1527,808 2568,808 2658.15,898.15 3002.15,898.15 3034.29,930.29 3339.54,930.29 3355.11,945.86 3355.11,960.02 3364.6,969.51 3378.02,969.51 3419.42,928.11 3801.94,928.11 4224.64,1350.8 5398.97,1350.8 5452.78,1296.99 6382.78,1296.99 6517.78,1161.99 7798.2,1161.99 7933.2,1296.99 7968.62,1296.99 7970.29,1298.66 7991.17,1298.66 7992.84,1296.99 8016.2,1296.99 8018.2,1298.99 8126.99,1298.99 8150.99,1322.99 8150.99,1388.99 8162.68,1400.68 v2(8162.68,1428.55)
  L12_S w5: v2(513.11,7092.99) 539.5,7066.61 v2(729.31,7066.61)